# Allegro board PandaX_III_V3.brd (continued)
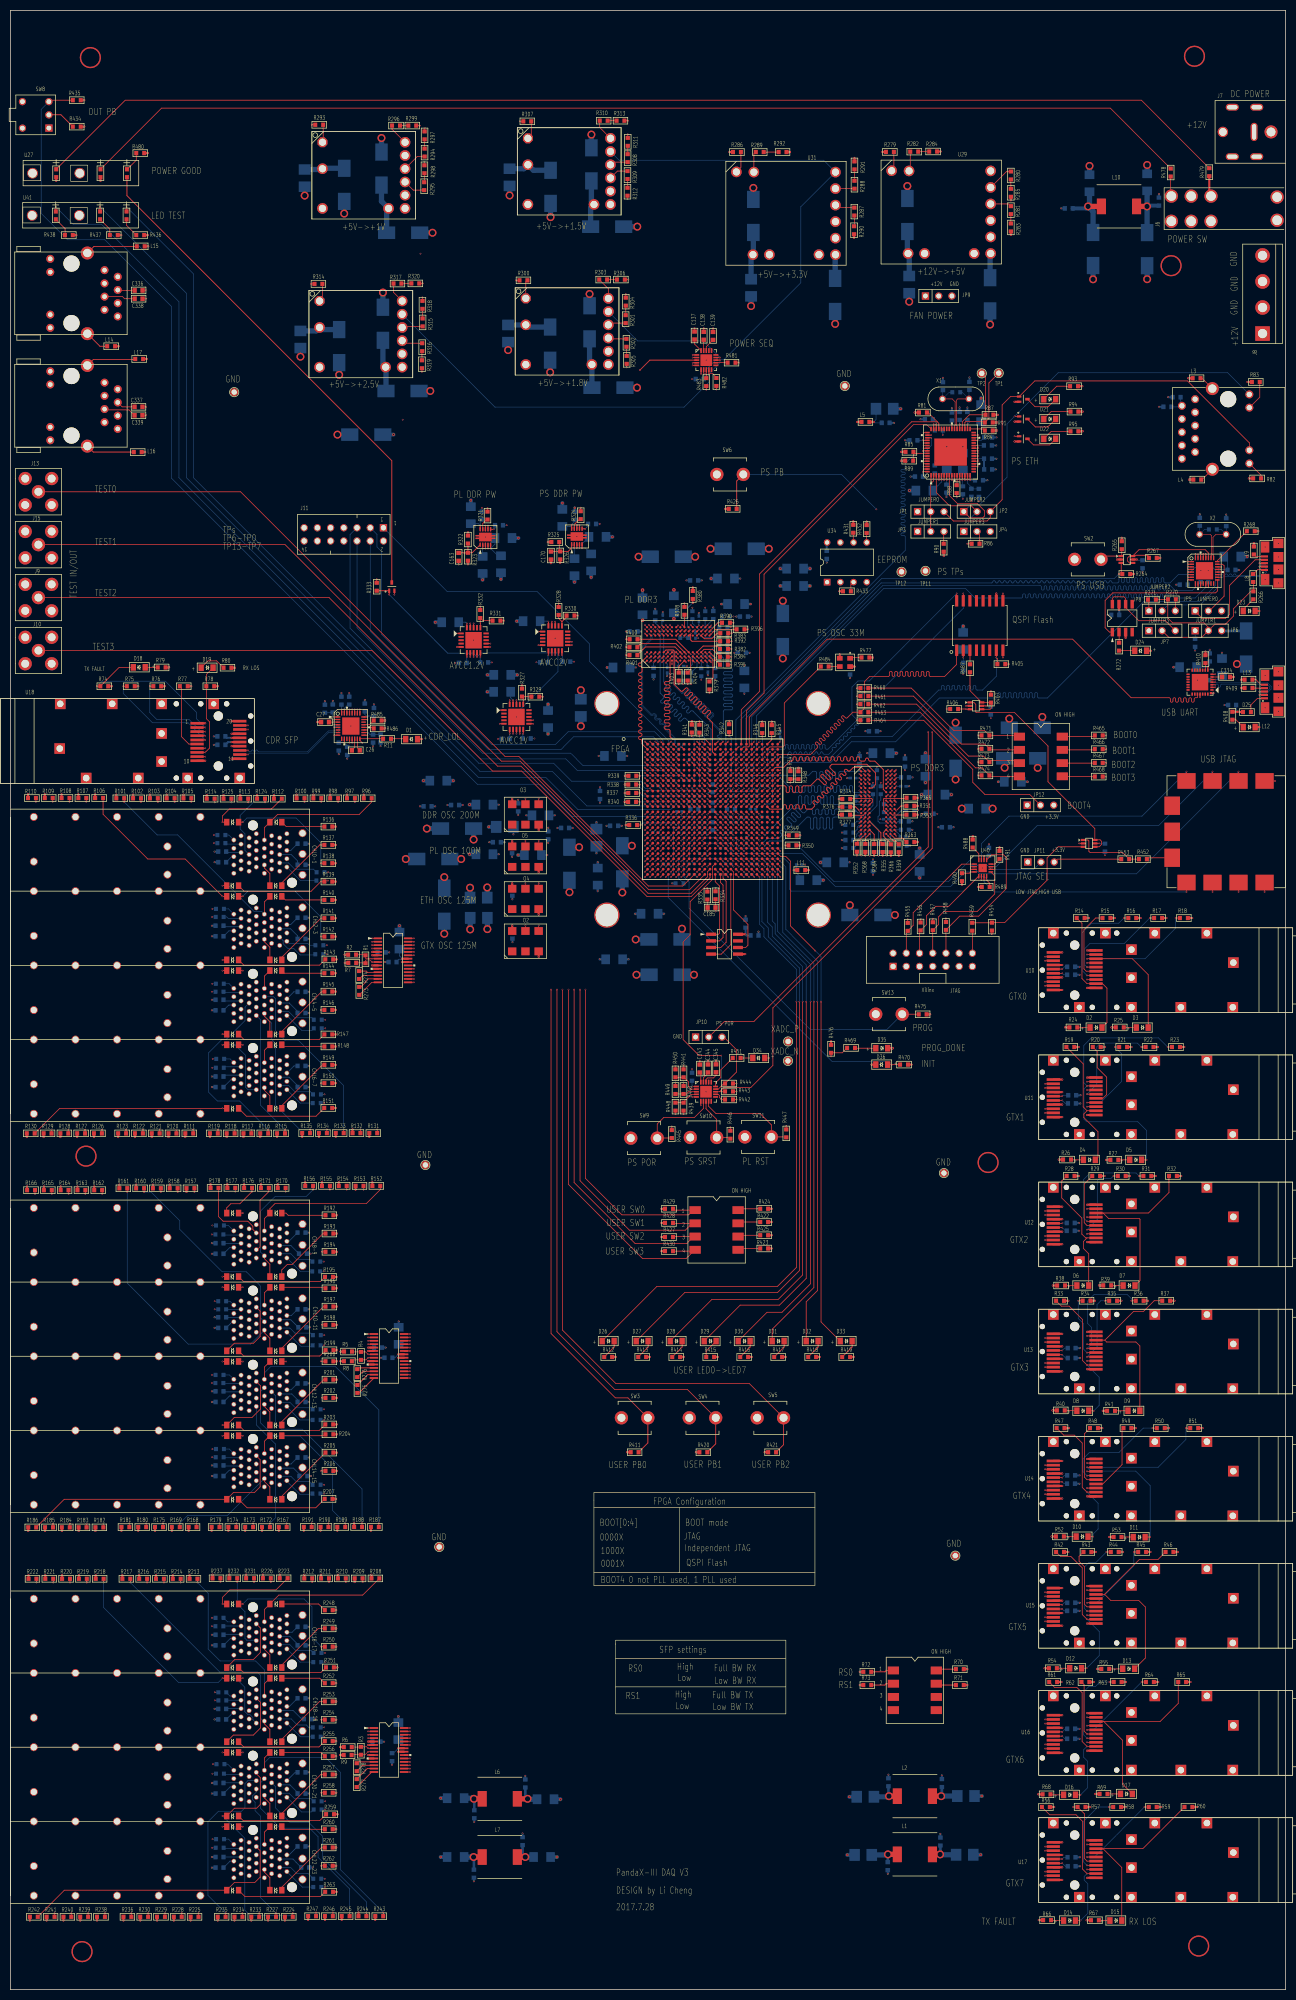
[diagram p0: board, top side]
## Nets (continued)
VCC1V8: C42.1 C43.1 C46.1 C47.1 C48.1 C49.1 C50.1 C55.1 C57.1 C123.1 C124.1 C125.1 C152.1 C153.1 C176.1 C182.1 C186.1 C205.1 C206.1 C207.1 C208.1 C209.1 C211.1 C212.1 C224.1 C225.1 C231.1 C256.1 C257.1 C258.1 C259.1 C260.1 C265.1 C273.1 C274.1 C275.1 C276.1 C277.1 C329.1 C333.1 C335.1 J1.9(VCC) JP1.1 JP4.1 L5.2 L11.1 R81.2 R82.1 R83.1 R85.2 R267.2 R304.1 R337.1 R347.2 R406.2 R410.2 R443.2 U1.C20(VCCO_MIO1_501#C20) U1.D17(VCCO_MIO1_501#D17) U1.E4(VCCO_33#E4) U1.F1(VCCO_33#F1) U1.F21(VCCO_MIO1_501#F21) U1.G18(VCCO_MIO1_501#G18) U1.H5(VCCO_33#H5) U1.J2(VCCO_33#J2) U1.K18(VCCO_MIO1_501#K18) U1.L6(VCCO_33#L6) U1.L19(VCCPAUX#L19) U1.M3(VCCO_33#M3) U1.M14(VCCADC_0) U1.N9(VCCAUX#N9) U1.N19(VCCPAUX#N19) U1.P8(VCCAUX#P8) U1.R9(VCCAUX#R9) U1.R19(VCCPAUX#R19) U1.T8(VCCAUX#T8) U1.U9(VCCAUX#U9) U1.U19(VCCPAUX#U19) U1.V6(MGTVCCAUX) U1.V10(VCCAUX#V10) U6.4(COMA_B) U6.7(VDDO#7) U6.46(VDDO#46) U6.52(VDDOR#52) U6.56(VDDOR#56) U6.64(CONFIG0) U8.8(REFSEL0) U8.11(REFSEL1) U8.14(REFSEL2) U8.28(VDD18#28) U8.30(VDD18#30) U8.32(VDDIO) U20.5(IN1) U20.6(IN2) U20.7(IN3) U20.8(IN4) U20.11(EN) U22.5(IN1) U22.6(IN2) U22.7(IN3) U22.8(IN4) U22.11(EN) U24.4(VO) U24.5(+SENSE) U30.3(IN2) U35.5(VIO) U36.5(VCC)
VCC2V5: C160.1 C161.1 C201.1 C203.1 C204.1 C210.1 R318.1 U1.AA26(VCCO_13#AA26) U1.AB23(VCCO_13#AB23) U1.AC20(VCCO_13#AC20) U1.AE24(VCCO_13#AE24) U1.AF21(VCCO_13#AF21) U1.Y19(VCCO_13#Y19) U26.4(VO) U26.5(+SENSE)
VCC3V3: C7.1 C8.2 C9.2 C10.1 C11.2 C12.2 C13.1 C14.2 C15.2 C20.2 C21.2 C22.2 C23.2 C24.2 C25.2 C30.2 C31.2 C32.2 C33.2 C34.1 C35.1 C38.1 C39.1 C69.1 C70.2 C126.1 C127.1 C145.1 C164.1 C165.1 C171.1 C172.1 C177.1 C180.1 C181.1 C184.1 C191.1 C192.1 C193.1 C194.1 C195.1 C196.1 C197.1 C198.1 C199.1 C200.1 C269.1 C270.1 C271.1 C272.1 C327.1 C328.1 C340.1 C341.1 C342.1 C346.1 C347.1 C348.1 C350.1 C351.1 C354.1 C355.1 C357.1 C358.1 C500.2 C503.1 D1.1(ANODE) D24.1(ANODE) D34.1(ANODE) DU3.8(VCC) J12.2 JP5.3 JP11.3 JP12.3 L1.1 L2.1 L6.1 L7.1 O1.4(VCC) O2.6(VDD) O3.6(VDD) O4.6(VDD) O5.6(VDD) R2.1 R5.1 R6.1 R14.2 R15.2 R16.2 R17.2 R18.2 R19.2 R20.2 R21.2 R22.2 R23.2 R24.2 R25.2 R26.2 R27.2 R28.2 R29.2 R30.2 R31.2 R32.2 R33.2 R34.2 R35.2 R36.2 R37.2 R38.2 R39.2 R40.2 R41.2 R42.2 R43.2 R44.2 R45.2 R46.2 R47.2 R48.2 R49.2 R50.2 R51.2 R52.2 R53.2 R54.2 R55.2 R56.2 R57.2 R58.2 R59.2 R60.2 R61.2 R62.2 R63.2 R64.2 R65.2 R66.2 R67.2 R68.2 R69.2 R70.2 R71.2 R74.2 R75.2 R76.2 R77.2 R78.2 R79.2 R80.2 R93.2 R94.2 R95.2 R96.1 R97.1 R98.1 R99.1 R100.1 R101.1 R102.1 R103.1 R104.1 R105.1 R106.1 R107.1 R108.1 R109.1 R110.1 R111.1 R112.1 R113.1 R114.1 R115.1 R116.1 R117.1 R118.1 R119.1 R120.1 R121.1 R122.1 R123.1 R124.1 R125.1 R126.1 R127.1 R128.1 R129.1 R130.1 R131.1 R132.1 R133.1 R134.1 R135.1 R136.2 R137.2 R138.2 R139.2 R140.2 R141.2 R142.2 R143.2 R144.2 R145.2 R146.2 R147.2 R148.2 R149.2 R150.2 R151.2 R152.1 R153.1 R154.1 R155.1 R156.1 R157.1 R158.1 R159.1 R160.1 R161.1 R162.1 R163.1 R164.1 R165.1 R166.1 R167.1 R168.1 R169.1 R170.1 R171.1 R172.1 R173.1 R174.1 R175.1 R176.1 R177.1 R178.1 R179.1 R180.1 R181.1 R182.1 R183.1 R184.1 R185.1 R186.1 R187.1 R188.1 R189.1 R190.1 R191.1 R192.2 R193.2 R194.2 R195.2 R196.2 R197.2 R198.2 R199.2 R200.2 R201.2 R202.2 R203.2 R204.2 R205.2 R206.2 R207.2 R208.1 R209.1 R210.1 R211.1 R212.1 R213.1 R214.1 R215.1 R216.1 R217.1 R218.1 R219.1 R220.1 R221.1 R222.1 R223.1 R224.1 R225.1 R226.1 R227.1 R228.1 R229.1 R230.1 R231.1 R232.1 R233.1 R234.1 R235.1 R236.1 R237.1 R238.1 R239.1 R240.1 R241.1 R242.1 R243.1 R244.1 R245.1 R246.1 R247.1 R248.2 R249.2 R250.2 R251.2 R252.2 R253.2 R254.2 R255.2 R256.2 R257.2 R258.2 R259.2 R260.2 R261.2 R262.2 R263.2 R264.2 R265.2 R290.1 R321.2 R324.2 R333.1 R336.1 R345.2 R405.2 R407.2 R422.2 R423.2 R424.2 R425.2 R431.2 R432.2 R433.2 R434.2 R439.2 R440.2 R441.2 R442.2 R444.2 R445.2 R446.2 R447.2 R453.2 R454.2 R455.2 R456.2 R457.2 R458.2 R465.2 R466.2 R467.2 R468.2 R470.2 R475.2 R476.2 R477.2 R480.2 R485.1 R486.1 R488.2 R489.2 R490.2 R491.2 SW3.1 SW4.1 SW5.1 SW6.1 U1.A26(VCCO_MIO0_500#A26) U1.AA16(VCCO_12#AA16) U1.AB13(VCCO_12#AB13) U1.AC10(VCCO_12#AC10) U1.AD17(VCCO_12#AD17) U1.AE14(VCCO_12#AE14) U1.AF11(VCCO_12#AF11) U1.B23(VCCO_MIO0_500#B23) U1.E24(VCCO_MIO0_500#E24) U1.U8(RSVDVCC3) U1.V8(RSVDVCC2) U1.V12(VCCO_0#V12) U1.V14(VCCO_0#V14) U1.W8(RSVDVCC1) U2.5(EN) U2.10(VDD#10) U2.22(VDD#22) U3.5(EN) U3.10(VDD#10) U3.22(VDD#22) U4.1(VCC#1) U4.2(VCC#2) U4.10(REFCLKP) U4.12(VCC#12) U4.18(VCC#18) U4.24(VCC#24) U4.31(VCC#31) U4.32(VCC#32) U7.5(VCC) U8.20(VDD33) U8.21(VBAT) U19.5(EN) U19.10(VDD#10) U19.22(VDD#22) U20.10(BIAS) U21.5(IN1) U21.6(IN2) U21.7(IN3) U21.8(IN4) U21.10(BIAS) U21.11(EN) U22.10(BIAS) U28.7(EN) U28.10(VIN) U31.5(VO) U31.6(+SENSE) U32.7(EN) U32.10(VIN) U34.8(VCC) U37.2(VCC) U38.1(VCC) U39.6(VREF) U39.8(VDD) U40.14(VCC) U42.5(VCC)
VCC5V: C128.1 C142.1 C143.1 C144.1 C146.1 C147.1 C150.1 C151.1 C154.1 C155.1 C158.1 C159.1 C499.1 R285.1 R481.2 R482.2 R483.2 U9.7(IN) U23.2(VI) U23.9(TRACK) U24.2(VI) U25.2(VI) U26.2(VI) U29.5(VO) U29.6(+SENSE) U30.1(VCC) U30.7(EN1) U31.2(VI)
VCCPLL: C222.1 C223.1 L11.2 U1.M18(VCCPLL)
14_PIN_JTAG_INIT: R454.1 R459.1 U42.3(A2)
14_PIN_JTAG_TCK: J12.6 R456.1 U40.5(NC2)
14_PIN_JTAG_TDI: J12.10 R458.1 U40.13(NC4)
14_PIN_JTAG_TDO: J12.8 R457.1 U40.9(NC3)
14_PIN_JTAG_TMS: J12.4 R455.1 U40.1(NC1)
BOOT0: R460.1 R471.2 SW12.1
BOOT1: R461.1 R472.2 SW12.2
BOOT2: R462.1 R473.2 SW12.3
BOOT3: R463.1 R474.2 SW12.4
BOOT4: JP12.2 R464.1
CDR_LOL: R11.2 U1.Y11(IO_L1N_T0_12) U4.16(LOL)
CDR_SCK: R486.2 U1.Y12(IO_L1P_T0_12) U4.20(SCK)
CDR_SDA: R485.2 U1.W14(IO_0_12) U4.21(SDA)
CONNECTOR_INPUT+12V: J6.1(IN1L) J6.4(IN1R) J7.1(VI) R479.1
DCM_CLK_N: DU1.2(D1-) U1.L4(IO_L14N_T2_SRCC_33)
DCM_CLK_P: DU1.1(D1+) U1.L5(IO_L14P_T2_SRCC_33)
DCM_ENAREM: DU1.3(D2+) U1.Y15(IO_L23N_T3_12)
DCM_MISO_N: DU1.8(D4-) U1.J6(IO_L22N_T3_33)
DCM_MISO_P: DU1.7(D4+) U1.K6(IO_L22P_T3_33)
DCM_MOSI_N: C338.1 U1.L7(IO_L19N_T3_VREF_33)
DCM_MOSI_P: C336.1 U1.M7(IO_L19P_T3_33)
DCM_REMDET: DU1.6(D2-) U1.W15(IO_L24N_T3_12)
DDR3_ADDR0: R355.1 U1.K22(PS_DDR_A0_502) U33.N3(A0)
DDR3_ADDR1: R356.1 U1.K20(PS_DDR_A1_502) U33.P7(A1)
DDR3_ADDR2: R357.1 U1.N21(PS_DDR_A2_502) U33.P3(A2)
DDR3_ADDR3: R358.1 U1.L22(PS_DDR_A3_502) U33.N2(A3)
DDR3_ADDR4: R359.1 U1.M20(PS_DDR_A4_502) U33.P8(A4)
DDR3_ADDR5: R360.1 U1.N22(PS_DDR_A5_502) U33.P2(A5)
DDR3_ADDR6: R361.1 U1.L20(PS_DDR_A6_502) U33.R8(A6)
DDR3_ADDR7: R362.1 U1.J21(PS_DDR_A7_502) U33.R2(A7)
DDR3_ADDR8: R363.1 U1.T20(PS_DDR_A8_502) U33.T8(A8)
DDR3_ADDR9: R364.1 U1.U20(PS_DDR_A9_502) U33.R3(A9)
DDR3_ADDR10: R365.1 U1.M22(PS_DDR_A10_502) U33.L7(A10)
DDR3_ADDR11: R366.1 U1.H21(PS_DDR_A11_502) U33.R7(A11)
DDR3_ADDR12: R367.1 U1.P20(PS_DDR_A12_502) U33.N7(A12)
DDR3_ADDR13: R368.1 U1.J20(PS_DDR_A13_502) U33.T3(A13)
DDR3_ADDR14: R369.1 U1.R20(PS_DDR_A14_502) U33.T7(A14)
DDR3_BA0: R370.1 U1.U22(PS_DDR_BA0_502) U33.M2(BA0)
DDR3_BA1: R371.1 U1.T22(PS_DDR_BA1_502) U33.N8(BA1)
DDR3_BA2: R372.1 U1.R22(PS_DDR_BA2_502) U33.M3(BA2)
DDR3_CAS_B: R375.1 U1.Y23(PS_DDR_CAS_B_502) U33.K3(CAS_B)
DDR3_CK_N: R354.2 U1.P21(PS_DDR_CKN_502) U33.K7(CK_N)
DDR3_CK_P: R354.1 U1.R21(PS_DDR_CKP_502) U33.J7(CK_P)
DDR3_CKE: R351.1 U1.U21(PS_DDR_CKE_502) U33.K9(CKE)
DDR3_CS_B: R377.1 U1.Y21(PS_DDR_CS_B_502) U33.L2(CS_B)
DDR3_DQ0: U1.J26(PS_DDR_DQ0_502) U33.E3(DQ0)
DDR3_DQ1: U1.F25(PS_DDR_DQ1_502) U33.F7(DQ1)
DDR3_DQ2: U1.J25(PS_DDR_DQ2_502) U33.F2(DQ2)
DDR3_DQ3: U1.G26(PS_DDR_DQ3_502) U33.F8(DQ3)
DDR3_DQ4: U1.H26(PS_DDR_DQ4_502) U33.H3(DQ4)
DDR3_DQ5: U1.H23(PS_DDR_DQ5_502) U33.H8(DQ5)
DDR3_DQ6: U1.J24(PS_DDR_DQ6_502) U33.G2(DQ6)
DDR3_DQ7: U1.J23(PS_DDR_DQ7_502) U33.H7(DQ7)
DDR3_DQ8: U1.K26(PS_DDR_DQ8_502) U33.D7(DQ8)
DDR3_DQ9: U1.L23(PS_DDR_DQ9_502) U33.C3(DQ9)
DDR3_DQ10: U1.M26(PS_DDR_DQ10_502) U33.C8(DQ10)
DDR3_DQ11: U1.K23(PS_DDR_DQ11_502) U33.C2(DQ11)
DDR3_DQ12: U1.M25(PS_DDR_DQ12_502) U33.A7(DQ12)
DDR3_DQ13: U1.N24(PS_DDR_DQ13_502) U33.A2(DQ13)
DDR3_DQ14: U1.M24(PS_DDR_DQ14_502) U33.B8(DQ14)
DDR3_DQ15: U1.N23(PS_DDR_DQ15_502) U33.A3(DQ15)
DDR3_LDM: U1.G24(PS_DDR_DM0_502) U33.E7(LDM)
DDR3_LDQS_N: U1.G25(PS_DDR_DQS_N0_502) U33.G3(LDQS_N)
DDR3_LDQS_P: U1.H24(PS_DDR_DQS_P0_502) U33.F3(LDQS_P)
DDR3_ODT: R376.1 U1.Y22(PS_DDR_ODT_502) U33.K1(ODT)
DDR3_RAS_B: R374.1 U1.V23(PS_DDR_RAS_B_502) U33.J3(RAS_B)
DDR3_RESET_B: R352.2 U1.H22(PS_DDR_DRST_B_502) U33.T2(RESET_B)
DDR3_UDM: U1.K25(PS_DDR_DM1_502) U33.D3(UDM)
DDR3_UDQS_N: U1.L25(PS_DDR_DQS_N1_502) U33.B7(UDQS_N)
DDR3_UDQS_P: U1.L24(PS_DDR_DQS_P1_502) U33.C7(UDQS_P)
DDR3_WE_B: R373.1 U1.V22(PS_DDR_WE_B_502) U33.L3(WE_B)
DDR3_ZQ: R353.2 U33.L8(ZQ)
DDR_VREF75V: C173.1 C278.1 C279.1 C301.1 C302.1 U1.K21(PS_DDR_VREF0_502) U1.M21(PS_DDR_VREF1_502) U32.6(REFOUT) U33.H1(VREFDQ) U33.M8(VREFCA)
DDR_VTT75V: C174.1 C175.1 C303.1 C304.1 C305.1 C306.1 C307.1 C308.1 R351.2 R355.2 R356.2 R357.2 R358.2 R359.2 R360.2 R361.2 R362.2 R363.2 R364.2 R365.2 R366.2 R367.2 R368.2 R369.2 R370.2 R371.2 R372.2 R373.2 R374.2 R375.2 R376.2 R377.2 U32.3(VO) U32.5(VOSNS)
ETH_AVCC1V8_FILTER: C51.1 C52.1 C53.1 C54.1 C56.1 C58.1 C59.1 C60.1 C61.1 C62.1 C63.1 L5.1 U6.14(AVDDR#14) U6.15(AVDDR#15) U6.16(AVDDX) U6.21(AVDD#21) U6.22(AVDD#22) U6.27(AVDD#27) U6.29(AVDD#29) U6.34(AVDDC#34) U6.37(AVDDC#37)
ETH_DVDD: C64.1 C65.1 C66.1 C67.1 C68.1 U6.5(DVDD#5) U6.13(DVDD#13) U6.40(DVDD#40) U6.47(DVDD#47)
ETH_PHY_CONFIG2: JP1.2 JP3.2 U6.2(CONFIG2)
ETH_PHY_CONFIG3: JP2.2 R86.2 U6.3(CONFIG3)
ETH_PHY_LED0: J1.12 JP1.3 JP2.3 Q1.2(G) U6.1(CONFIG1) U6.6(LED0)
ETH_PHY_LED1: J1.14 JP2.1 Q2.2(G) U6.8(LED1)
ETH_PHY_LED2: Q3.2(G) U6.9(LED2)
ETH_PHY_MDC: U1.A20(PS_MIO52_501) U6.48(MDC)
ETH_PHY_MDIO: R81.1 U1.A19(PS_MIO53_501) U6.45(MDIO)
ETH_PHY_RESET_B: U1.B20(PS_MIO51_501) U6.10(RESET_B)
ETH_PHY_RX_CLK: U1.G22(PS_MIO22_501) U6.53(RX_CLK)
ETH_PHY_RX_CTRL: U1.F18(PS_MIO27_501) U6.49(RX_CTRL)
ETH_PHY_RXD0: U1.F20(PS_MIO23_501) U6.50(RXD0)
ETH_PHY_RXD1: U1.J19(PS_MIO24_501) U6.51(RXD1)
ETH_PHY_RXD2: U1.F19(PS_MIO25_501) U6.54(RXD2)
ETH_PHY_RXD3: U1.H17(PS_MIO26_501) U6.55(RXD3)
ETH_PHY_TX_CLK: U1.G21(PS_MIO16_501) U6.60(TX_CLK)
ETH_PHY_TX_CTRL: U1.F22(PS_MIO21_501) U6.63(TX_CTRL)
ETH_PHY_TXD0: U1.G17(PS_MIO17_501) U6.58(TXD0)
ETH_PHY_TXD1: U1.G20(PS_MIO18_501) U6.59(TXD1)
ETH_PHY_TXD2: U1.G19(PS_MIO19_501) U6.61(TXD2)
ETH_PHY_TXD3: U1.H19(PS_MIO20_501) U6.62(TXD3)
ETHERNET_GTX_CLK_N: O4.5(OUT-) U1.R5(MGTREFCLK0N_112)
ETHERNET_GTX_CLK_P: O4.4(OUT+) U1.R6(MGTREFCLK0P_112)
ETHERNET_XTAL_N: C44.1 R92.2 U6.39(XTAL_OUT) X1.1
ETHERNET_XTAL_P: C45.1 R92.1 U6.38(XTAL_IN) X1.2
FEC_CLK_N: DU2.2(D1-) U1.H3(IO_L8N_T1_33)
FEC_CLK_P: DU2.1(D1+) U1.H4(IO_L8P_T1_33)
FEC_ENAREM: DU2.3(D2+) U1.W16(IO_L24P_T3_12)
FEC_GROUP_TX_N0: R1.1 R7.1 U1.G1(IO_L10N_T1_33) U2.8(IN-)
FEC_GROUP_TX_N1: R4.1 R8.1 U1.E1(IO_L5N_T0_33) U3.8(IN-)
FEC_GROUP_TX_N2: R3.1 R9.1 U1.AE26(IO_L3N_T0_DQS_13) U19.8(IN-)
FEC_GROUP_TX_P0: R1.2 R2.2 U1.H2(IO_L10P_T1_33) U2.7(IN+)
FEC_GROUP_TX_P1: R4.2 R5.2 U1.E2(IO_L5P_T0_33) U3.7(IN+)
FEC_GROUP_TX_P2: R3.2 R6.2 U1.AE25(IO_L3P_T0_DQS_13) U19.7(IN+)
FEC_MISO_N: DU2.8(D4-) U1.J5(IO_L20N_T3_33)
FEC_MISO_P: DU2.7(D4+) U1.K5(IO_L20P_T3_33)
FEC_MOSI_N: C339.1 U1.K7(IO_L24N_T3_33)
FEC_MOSI_P: C337.1 U1.K8(IO_L24P_T3_33)
FEC_REMDET: DU2.6(D2-) U1.Y16(IO_L23P_T3_12)
FEC_RX_LOS0: J3.1T8(LOS) J3.1T24(LEDN#1T24) R100.2
FEC_RX_LOS1: J3.1L8(LOS) J3.1L24(LEDN#1L24) R114.2
FEC_RX_LOS2: J3.2T8(LOS) J3.2T24(LEDN#2T24) R105.2
FEC_RX_LOS3: J3.2L8(LOS) J3.2L24(LEDN#2L24) R110.2
FEC_RX_LOS4: J3.3T8(LOS) J3.3T24(LEDN#3T24) R135.2
FEC_RX_LOS5: J3.3L8(LOS) J3.3L24(LEDN#3L24) R119.2
FEC_RX_LOS6: J3.4T8(LOS) J3.4T24(LEDN#4T24) R111.2
FEC_RX_LOS7: J3.4L8(LOS) J3.4L24(LEDN#4L24) R130.2
FEC_RX_LOS8: J4.1T8(LOS) J4.1T24(LEDN#1T24) R156.2
FEC_RX_LOS9: J4.1L8(LOS) J4.1L24(LEDN#1L24) R178.2
FEC_RX_LOS10: J4.2T8(LOS) J4.2T24(LEDN#2T24) R161.2
FEC_RX_LOS11: J4.2L8(LOS) J4.2L24(LEDN#2L24) R166.2
FEC_RX_LOS12: J4.3T8(LOS) J4.3T24(LEDN#3T24) R191.2
FEC_RX_LOS13: J4.3L8(LOS) J4.3L24(LEDN#3L24) R179.2
FEC_RX_LOS14: J4.4T8(LOS) J4.4T24(LEDN#4T24) R169.2
FEC_RX_LOS15: J4.4L8(LOS) J4.4L24(LEDN#4L24) R186.2
FEC_RX_LOS16: J5.1T8(LOS) J5.1T24(LEDN#1T24) R212.2
FEC_RX_LOS17: J5.1L8(LOS) J5.1L24(LEDN#1L24) R226.2
FEC_RX_LOS18: J5.2T8(LOS) J5.2T24(LEDN#2T24) R217.2
FEC_RX_LOS19: J5.2L8(LOS) J5.2L24(LEDN#2L24) R222.2
FEC_RX_LOS20: J5.3T8(LOS) J5.3T24(LEDN#3T24) R247.2
FEC_RX_LOS21: J5.3L8(LOS) J5.3L24(LEDN#3L24) R224.2
FEC_RX_LOS22: J5.4T8(LOS) J5.4T24(LEDN#4T24) R230.2
FEC_RX_LOS23: J5.4L8(LOS) J5.4L24(LEDN#4L24) R242.2
FEC_RX_N0: R492.2 U1.C1(IO_L4N_T0_33)
FEC_RX_N1: R494.2 U1.D3(IO_L2N_T0_33)
FEC_RX_N2: R496.2 U1.E3(IO_L6N_T0_VREF_33)
FEC_RX_N3: R498.2 U1.F2(IO_L3N_T0_DQS_33)
FEC_RX_N4: R500.2 U1.L8(IO_L21N_T3_DQS_33)
FEC_RX_N5: R502.2 U1.M4(IO_L17N_T2_33)
FEC_RX_N6: R504.2 U1.AC19(IO_L21N_T3_DQS_13)
FEC_RX_N7: R506.2 U1.AA18(IO_L24N_T3_13)
FEC_RX_N8: R508.2 U1.AD21(IO_L13N_T2_MRCC_13)
FEC_RX_N9: R510.2 U1.AF20(IO_L15N_T2_DQS_13)
FEC_RX_N10: R512.2 U1.AA23(IO_L10N_T1_13)
FEC_RX_N11: R514.2 U1.AC22(IO_L14N_T2_SRCC_13)
FEC_RX_N12: R516.2 U1.AF25(IO_L5N_T0_13)
FEC_RX_N13: R518.2 U1.AB25(IO_L1N_T0_13)
FEC_RX_N14: R520.2 U1.Y20(IO_L19N_T3_VREF_13)
FEC_RX_N15: R522.2 U1.W19(IO_L23N_T3_13)
FEC_RX_N16: R524.2 U1.AB19(IO_L22N_T3_13)
FEC_RX_N17: R528.2 U1.AF18(IO_L18N_T2_13)
FEC_RX_N18: R526.2 U1.AE21(IO_L16N_T2_13)
FEC_RX_N19: R530.2 U1.AD19(IO_L17N_T2_13)
FEC_RX_N20: R532.2 U1.AD24(IO_L11N_T1_SRCC_13)
FEC_RX_N21: R534.2 U1.AF23(IO_L8N_T1_13)
FEC_RX_N22: R536.2 U1.AB24(IO_L6N_T0_VREF_13)
FEC_RX_N23: R538.2 U1.AB22(IO_L9N_T1_DQS_13)
FEC_RX_P0: R493.2 U1.D1(IO_L4P_T0_33)
FEC_RX_P1: R495.2 U1.D4(IO_L2P_T0_33)
FEC_RX_P2: R497.2 U1.F3(IO_L6P_T0_33)
FEC_RX_P3: R499.2 U1.G2(IO_L3P_T0_DQS_33)
FEC_RX_P4: R501.2 U1.M8(IO_L21P_T3_DQS_33)
FEC_RX_P5: R503.2 U1.N4(IO_L17P_T2_33)
FEC_RX_P6: R505.2 U1.AC18(IO_L21P_T3_DQS_13)
FEC_RX_P7: R507.2 U1.Y18(IO_L24P_T3_13)
FEC_RX_P8: R509.2 U1.AD20(IO_L13P_T2_MRCC_13)
FEC_RX_P9: R511.2 U1.AF19(IO_L15P_T2_DQS_13)
FEC_RX_P10: R513.2 U1.AA22(IO_L10P_T1_13)
FEC_RX_P11: R515.2 U1.AC21(IO_L14P_T2_SRCC_13)
FEC_RX_P12: R517.2 U1.AF24(IO_L5P_T0_13)
FEC_RX_P13: R519.2 U1.AA25(IO_L1P_T0_13)
FEC_RX_P14: R521.2 U1.W20(IO_L19P_T3_13)
FEC_RX_P15: R523.2 U1.W18(IO_L23P_T3_13)
FEC_RX_P16: R525.2 U1.AA19(IO_L22P_T3_13)
FEC_RX_P17: R529.2 U1.AE18(IO_L18P_T2_13)
FEC_RX_P18: R527.2 U1.AE20(IO_L16P_T2_13)
FEC_RX_P19: R531.2 U1.AD18(IO_L17P_T2_13)
FEC_RX_P20: R533.2 U1.AD23(IO_L11P_T1_SRCC_13)
FEC_RX_P21: R535.2 U1.AE23(IO_L8P_T1_13)
FEC_RX_P22: R537.2 U1.AA24(IO_L6P_T0_13)
FEC_RX_P23: R539.2 U1.AB21(IO_L9P_T1_DQS_13)
FEC_TX_FAULT0: J3.1T2(TXFAULT) J3.1T22(LEDN#1T22) R96.2
FEC_TX_FAULT1: J3.1L2(TXFAULT) J3.1L22(LEDN#1L22) R112.2
FEC_TX_FAULT2: J3.2T2(TXFAULT) J3.2T22(LEDN#2T22) R101.2
FEC_TX_FAULT3: J3.2L2(TXFAULT) J3.2L22(LEDN#2L22) R106.2
FEC_TX_FAULT4: J3.3T2(TXFAULT) J3.3T22(LEDN#3T22) R131.2
FEC_TX_FAULT5: J3.3L2(TXFAULT) J3.3L22(LEDN#3L22) R115.2
FEC_TX_FAULT6: J3.4T2(TXFAULT) J3.4T22(LEDN#4T22) R120.2
FEC_TX_FAULT7: J3.4L2(TXFAULT) J3.4L22(LEDN#4L22) R126.2
FEC_TX_FAULT8: J4.1T2(TXFAULT) J4.1T22(LEDN#1T22) R152.2
FEC_TX_FAULT9: J4.1L2(TXFAULT) J4.1L22(LEDN#1L22) R176.2
FEC_TX_FAULT10: J4.2T2(TXFAULT) J4.2T22(LEDN#2T22) R157.2
FEC_TX_FAULT11: J4.2L2(TXFAULT) J4.2L22(LEDN#2L22) R162.2
FEC_TX_FAULT12: J4.3T2(TXFAULT) J4.3T22(LEDN#3T22) R187.2
FEC_TX_FAULT13: J4.3L2(TXFAULT) J4.3L22(LEDN#3L22) R172.2
FEC_TX_FAULT14: J4.4T2(TXFAULT) J4.4T22(LEDN#4T22) R180.2
FEC_TX_FAULT15: J4.4L2(TXFAULT) J4.4L22(LEDN#4L22) R182.2
FEC_TX_FAULT16: J5.1T2(TXFAULT) J5.1T22(LEDN#1T22) R208.2
FEC_TX_FAULT17: J5.1L2(TXFAULT) J5.1L22(LEDN#1L22) R223.2
FEC_TX_FAULT18: J5.2T2(TXFAULT) J5.2T22(LEDN#2T22) R213.2
FEC_TX_FAULT19: J5.2L2(TXFAULT) J5.2L22(LEDN#2L22) R218.2
FEC_TX_FAULT20: J5.3T2(TXFAULT) J5.3T22(LEDN#3T22) R243.2
FEC_TX_FAULT21: J5.3L2(TXFAULT) J5.3L22(LEDN#3L22) R233.2
FEC_TX_FAULT22: J5.4T2(TXFAULT) J5.4T22(LEDN#4T22) R228.2
FEC_TX_FAULT23: J5.4L2(TXFAULT) J5.4L22(LEDN#4L22) R238.2
FEC_TX_N0: J3.1T19(TXN) U2.4(OUT1-)
FEC_TX_N1: J3.1L19(TXN) U2.2(OUT2-)
FEC_TX_N2: J3.2T19(TXN) U2.27(OUT3-)
FEC_TX_N3: J3.2L19(TXN) U2.25(OUT4-)
FEC_TX_N4: J3.3T19(TXN) U2.23(OUT5-)
FEC_TX_N5: J3.3L19(TXN) U2.19(OUT6-)
FEC_TX_N6: J3.4T19(TXN) U2.17(OUT7-)
FEC_TX_N7: J3.4L19(TXN) U2.15(OUT8-)
FEC_TX_N8: J4.1T19(TXN) U3.4(OUT1-)
FEC_TX_N9: J4.1L19(TXN) U3.2(OUT2-)
FEC_TX_N10: J4.2T19(TXN) U3.27(OUT3-)
FEC_TX_N11: J4.2L19(TXN) U3.25(OUT4-)
FEC_TX_N12: J4.3T19(TXN) U3.23(OUT5-)
FEC_TX_N13: J4.3L19(TXN) U3.19(OUT6-)
FEC_TX_N14: J4.4T19(TXN) U3.17(OUT7-)
FEC_TX_N15: J4.4L19(TXN) U3.15(OUT8-)
FEC_TX_N16: J5.1T19(TXN) U19.4(OUT1-)
FEC_TX_N17: J5.1L19(TXN) U19.2(OUT2-)
FEC_TX_N18: J5.2T19(TXN) U19.27(OUT3-)
FEC_TX_N19: J5.2L19(TXN) U19.25(OUT4-)
FEC_TX_N20: J5.3T19(TXN) U19.23(OUT5-)
FEC_TX_N21: J5.3L19(TXN) U19.19(OUT6-)
FEC_TX_N22: J5.4T19(TXN) U19.17(OUT7-)
FEC_TX_N23: J5.4L19(TXN) U19.15(OUT8-)
FEC_TX_P0: J3.1T18(TXP) U2.3(OUT1+)
FEC_TX_P1: J3.1L18(TXP) U2.1(OUT2+)
FEC_TX_P2: J3.2T18(TXP) U2.28(OUT3+)
FEC_TX_P3: J3.2L18(TXP) U2.26(OUT4+)
FEC_TX_P4: J3.3T18(TXP) U2.24(OUT5+)
FEC_TX_P5: J3.3L18(TXP) U2.20(OUT6+)
FEC_TX_P6: J3.4T18(TXP) U2.18(OUT7+)
FEC_TX_P7: J3.4L18(TXP) U2.16(OUT8+)
FEC_TX_P8: J4.1T18(TXP) U3.3(OUT1+)
FEC_TX_P9: J4.1L18(TXP) U3.1(OUT2+)
FEC_TX_P10: J4.2T18(TXP) U3.28(OUT3+)
FEC_TX_P11: J4.2L18(TXP) U3.26(OUT4+)
FEC_TX_P12: J4.3T18(TXP) U3.24(OUT5+)
FEC_TX_P13: J4.3L18(TXP) U3.20(OUT6+)
FEC_TX_P14: J4.4T18(TXP) U3.18(OUT7+)
FEC_TX_P15: J4.4L18(TXP) U3.16(OUT8+)
FEC_TX_P16: J5.1T18(TXP) U19.3(OUT1+)
FEC_TX_P17: J5.1L18(TXP) U19.1(OUT2+)
FEC_TX_P18: J5.2T18(TXP) U19.28(OUT3+)
FEC_TX_P19: J5.2L18(TXP) U19.26(OUT4+)
FEC_TX_P20: J5.3T18(TXP) U19.24(OUT5+)
FEC_TX_P21: J5.3L18(TXP) U19.20(OUT6+)
FEC_TX_P22: J5.4T18(TXP) U19.18(OUT7+)
FEC_TX_P23: J5.4L18(TXP) U19.16(OUT8+)
FEC_VCCR: C72.1 C73.2 C75.2 C77.2 C79.2 C80.2 C82.2 C85.2 C87.2 C89.2 C91.2 C93.2 C95.2 C97.2 C99.2 C101.2 C103.2 C105.2 C107.2 C109.2 C111.2 C113.2 C115.2 C117.2 C119.2 C481.1 C502.2 J3.1L15(VCCR) J3.1T15(VCCR) J3.2L15(VCCR) J3.2T15(VCCR) J3.3L15(VCCR) J3.3T15(VCCR) J3.4L15(VCCR) J3.4T15(VCCR) J4.1L15(VCCR) J4.1T15(VCCR) J4.2L15(VCCR) J4.2T15(VCCR) J4.3L15(VCCR) J4.3T15(VCCR) J4.4L15(VCCR) J4.4T15(VCCR) J5.1L15(VCCR) J5.1T15(VCCR) J5.2L15(VCCR) J5.2T15(VCCR) J5.3L15(VCCR) J5.3T15(VCCR) J5.4L15(VCCR) J5.4T15(VCCR) L7.2 U18.15(VCCR)
FEC_VCCT: C71.1 C74.2 C76.2 C78.2 C81.2 C83.2 C84.2 C86.2 C88.2 C90.2 C92.2 C94.2 C96.2 C98.2 C100.2 C102.2 C104.2 C106.2 C108.2 C110.2 C112.2 C114.2 C116.2 C118.2 C120.2 C482.1 C501.2 J3.1L16(VCCT) J3.1T16(VCCT) J3.2L16(VCCT) J3.2T16(VCCT) J3.3L16(VCCT) J3.3T16(VCCT) J3.4L16(VCCT) J3.4T16(VCCT) J4.1L16(VCCT) J4.1T16(VCCT) J4.2L16(VCCT) J4.2T16(VCCT) J4.3L16(VCCT) J4.3T16(VCCT) J4.4L16(VCCT) J4.4T16(VCCT) J5.1L16(VCCT) J5.1T16(VCCT) J5.2L16(VCCT) J5.2T16(VCCT) J5.3L16(VCCT) J5.3T16(VCCT) J5.4L16(VCCT) J5.4T16(VCCT) L6.2 U18.16(VCCT)
FLASH_CB_B: R405.1 U1.D26(PS_MIO1_500) U37.7(S_B)
FLASH_CLK: R464.2 U1.F23(PS_MIO6_500) U37.16(C)
FLASH_DQ0: R460.2 U1.E25(PS_MIO2_500) U37.15(DQ0)
FLASH_DQ1: R461.2 U1.D25(PS_MIO3_500) U37.8(DQ1)
FLASH_DQ2: R462.2 U1.F24(PS_MIO4_500) U37.9(DQ2_VPP_WP_B)
FLASH_DQ3: R463.2 U1.C26(PS_MIO5_500) U37.1(DQ3_HOLD_B)
FLASH_RST_B: R406.1 U1.E18(PS_MIO44_501) U36.3(A2)
FPGA_DONE: R469.2 R476.1 U1.W9(DONE_0)
FPGA_INIT_B: D36.1(ANODE) R470.1 U1.R8(INIT_B_0)
FPGA_PROG_B: R475.1 SW13.2 U1.V9(PROGRAM_B_0)
GPIO1: U39.10(GPIO1)
GTX_CLOCK_N: O2.5(OUT-) U1.W5(MGTREFCLK0N_111)
GTX_CLOCK_P: O2.4(OUT+) U1.W6(MGTREFCLK0P_111)
INPUT_POWER+12V: C134.1 C135.1 C136.1 C140.1 C141.1 JP9.2 L10.2 U29.2(VI) U29.10(TRACK)
LINEAR_PG: Q4.2(G) R333.2 U20.9(PG) U21.9(PG) U22.9(PG)
MDI_N0: J1.2(TD0-) U6.30(MDI0_N)
MDI_N1: J1.6(TD1-) U6.25(MDI1_N)
MDI_N2: J1.5(TD2-) U6.23(MDI2_N)
MDI_N3: J1.8(TD3-) U6.19(MDI3_N)
MDI_P0: J1.1(TD0+) U6.31(MDI0_P)
MDI_P1: J1.3(TD1+) U6.26(MDI1_P)
MDI_P2: J1.4(TD2+) U6.24(MDI2_P)
MDI_P3: J1.7(TD3+) U6.20(MDI3_P)
OUT_LED0: U1.N7(IO_L23P_T3_33) U41.3(IN1)
OUT_LED1: U1.N6(IO_L23N_T3_33) U41.5(IN2)
OUT_LED2: U1.K2(IO_L9P_T1_DQS_33) U41.7(IN3)
OUT_PB: R435.2 SW8.3 U1.AA10(IO_L3N_T0_DQS_12)
PL_CLK_N: O5.5(OUT-) U1.M5(IO_L13N_T2_MRCC_33)
PL_CLK_P: O5.4(OUT+) U1.M6(IO_L13P_T2_MRCC_33)
PL_DDR3_ADDR0: R382.1 U1.J15(IO_L9N_T1_DQS_AD3N_35) U43.N3(A0)
PL_DDR3_ADDR1: R383.1 U1.K15(IO_L9P_T1_DQS_AD3P_35) U43.P7(A1)
PL_DDR3_ADDR2: R384.1 U1.J13(IO_L8N_T1_AD10N_35) U43.P3(A2)
PL_DDR3_ADDR3: R385.1 U1.K13(IO_L8P_T1_AD10P_35) U43.N2(A3)
PL_DDR3_ADDR4: R386.1 U1.H12(IO_L7N_T1_AD2N_35) U43.P8(A4)
PL_DDR3_ADDR5: R387.1 U1.H13(IO_L7P_T1_AD2P_35) U43.P2(A5)
PL_DDR3_ADDR6: R388.1 U1.F13(IO_L6P_T0_35) U43.R8(A6)
PL_DDR3_ADDR7: R389.1 U1.G11(IO_L5N_T0_AD9N_35) U43.R2(A7)
PL_DDR3_ADDR8: R390.1 U1.G12(IO_L5P_T0_AD9P_35) U43.T8(A8)
PL_DDR3_ADDR9: R391.1 U1.D11(IO_L4N_T0_35) U43.R3(A9)
PL_DDR3_ADDR10: R392.1 U1.E11(IO_L4P_T0_35) U43.L7(A10)
PL_DDR3_ADDR11: R393.1 U1.D10(IO_L2N_T0_AD8N_35) U43.R7(A11)
PL_DDR3_ADDR12: R394.1 U1.E10(IO_L2P_T0_AD8P_35) U43.N7(A12)
PL_DDR3_ADDR13: R395.1 U1.E12(IO_L1N_T0_AD0N_35) U43.T3(A13)
PL_DDR3_ADDR14: R396.1 U1.F12(IO_L1P_T0_AD0P_35) U43.T7(A14)
PL_DDR3_BA0: R397.1 U1.G14(IO_L11P_T1_SRCC_35) U43.M2(BA0)
PL_DDR3_BA1: R398.1 U1.G15(IO_L10N_T1_AD11N_35) U43.N8(BA1)
PL_DDR3_BA2: R399.1 U1.G16(IO_L10P_T1_AD11P_35) U43.M3(BA2)
PL_DDR3_CAS_B: R402.1 U1.J14(IO_L12P_T1_MRCC_35) U43.K3(CAS_B)
PL_DDR3_CK_N: R381.2 U1.E15(IO_L14N_T2_AD4N_SRCC_35) U43.K7(CK_N)
PL_DDR3_CK_P: R381.1 U1.F15(IO_L14P_T2_AD4P_SRCC_35) U43.J7(CK_P)
PL_DDR3_CKE: R378.1 U1.C16(IO_L15N_T2_DQS_AD12N_35) U43.K9(CKE)
PL_DDR3_CS_B: R404.1 U1.C17(IO_L15P_T2_DQS_AD12P_35) U43.L2(CS_B)
PL_DDR3_DQ0: U1.C14(IO_L20P_T3_AD6P_35) U43.E3(DQ0)
PL_DDR3_DQ1: U1.B14(IO_L20N_T3_AD6N_35) U43.F7(DQ1)
PL_DDR3_DQ2: U1.C12(IO_L22P_T3_AD7P_35) U43.F2(DQ2)
PL_DDR3_DQ3: U1.B12(IO_L22N_T3_AD7N_35) U43.F8(DQ3)
PL_DDR3_DQ4: U1.C11(IO_L23P_T3_35) U43.H3(DQ4)
PL_DDR3_DQ5: U1.B11(IO_L23N_T3_35) U43.H8(DQ5)
PL_DDR3_DQ6: U1.A13(IO_L24P_T3_AD15P_35) U43.G2(DQ6)
PL_DDR3_DQ7: U1.A12(IO_L24N_T3_AD15N_35) U43.H7(DQ7)
PL_DDR3_DQ8: U1.B5(IO_L20P_T3_34) U43.D7(DQ8)
PL_DDR3_DQ9: U1.B4(IO_L20N_T3_34) U43.C3(DQ9)
PL_DDR3_DQ10: U1.A4(IO_L22P_T3_34) U43.C8(DQ10)
PL_DDR3_DQ11: U1.A3(IO_L22N_T3_34) U43.C2(DQ11)
PL_DDR3_DQ12: U1.C2(IO_L23P_T3_34) U43.A7(DQ12)
PL_DDR3_DQ13: U1.B1(IO_L23N_T3_34) U43.A2(DQ13)
PL_DDR3_DQ14: U1.B2(IO_L24P_T3_34) U43.B8(DQ14)
PL_DDR3_DQ15: U1.A2(IO_L24N_T3_34) U43.A3(DQ15)
PL_DDR3_LDM: U1.D13(IO_L19P_T3_35) U43.E7(LDM)
PL_DDR3_LDQS_N: U1.A14(IO_L21N_T3_DQS_AD14N_35) U43.G3(LDQS_N)
PL_DDR3_LDQS_P: U1.A15(IO_L21P_T3_DQS_AD14P_35) U43.F3(LDQS_P)